# KiCad board mist.kicad_pcb
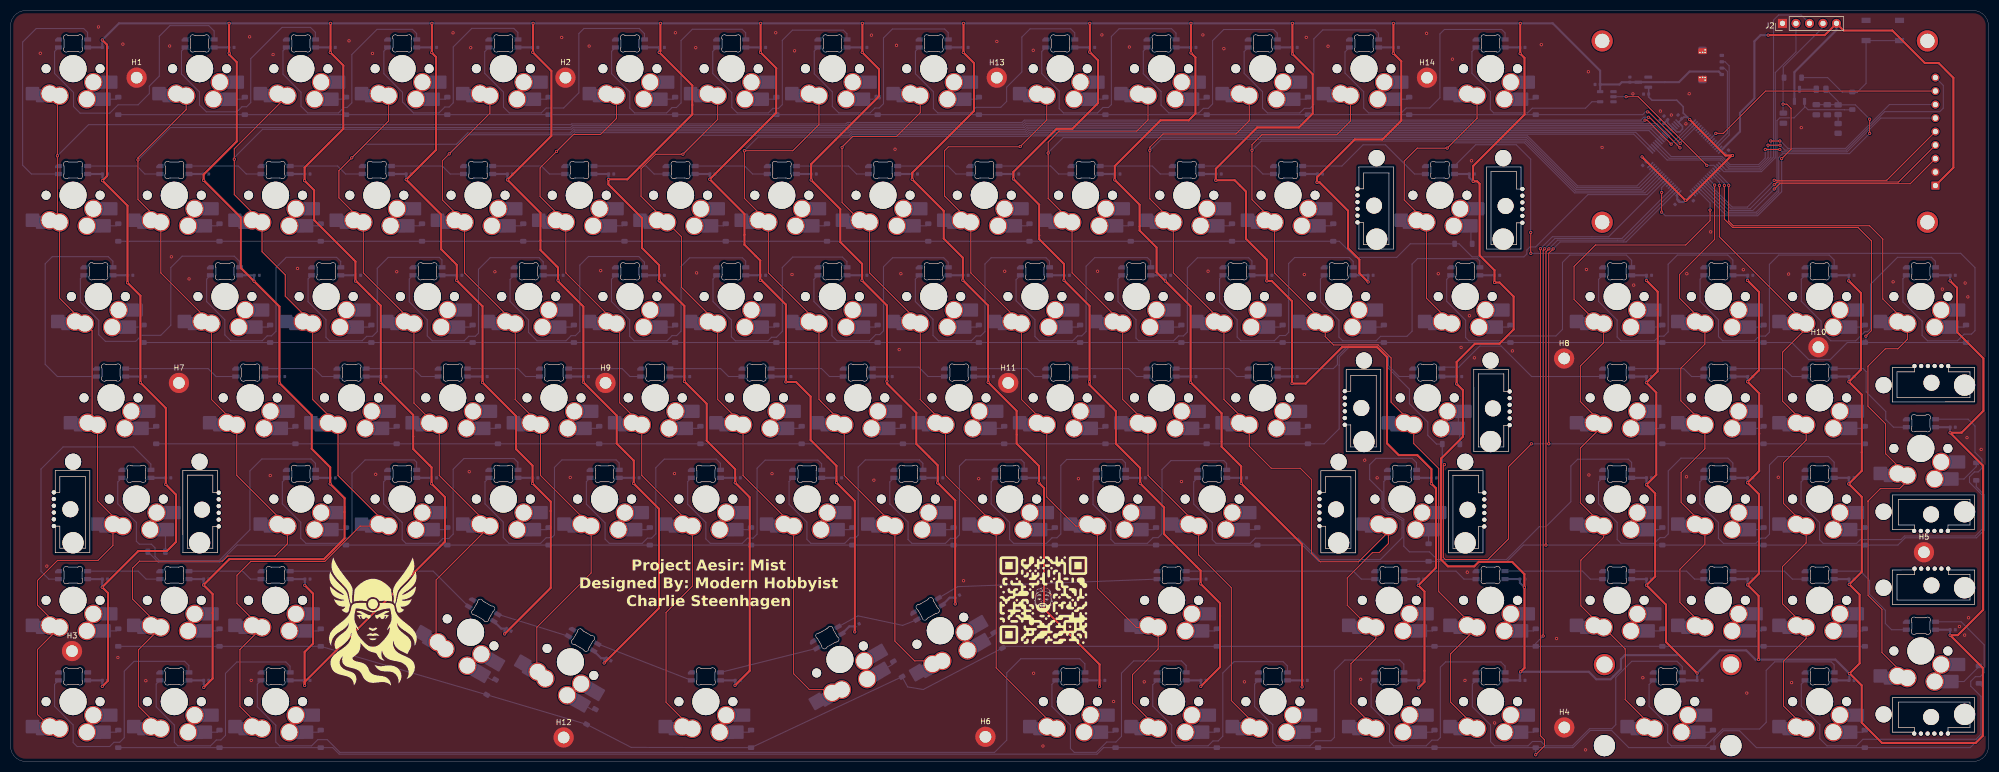
[diagram p0: board, top side]
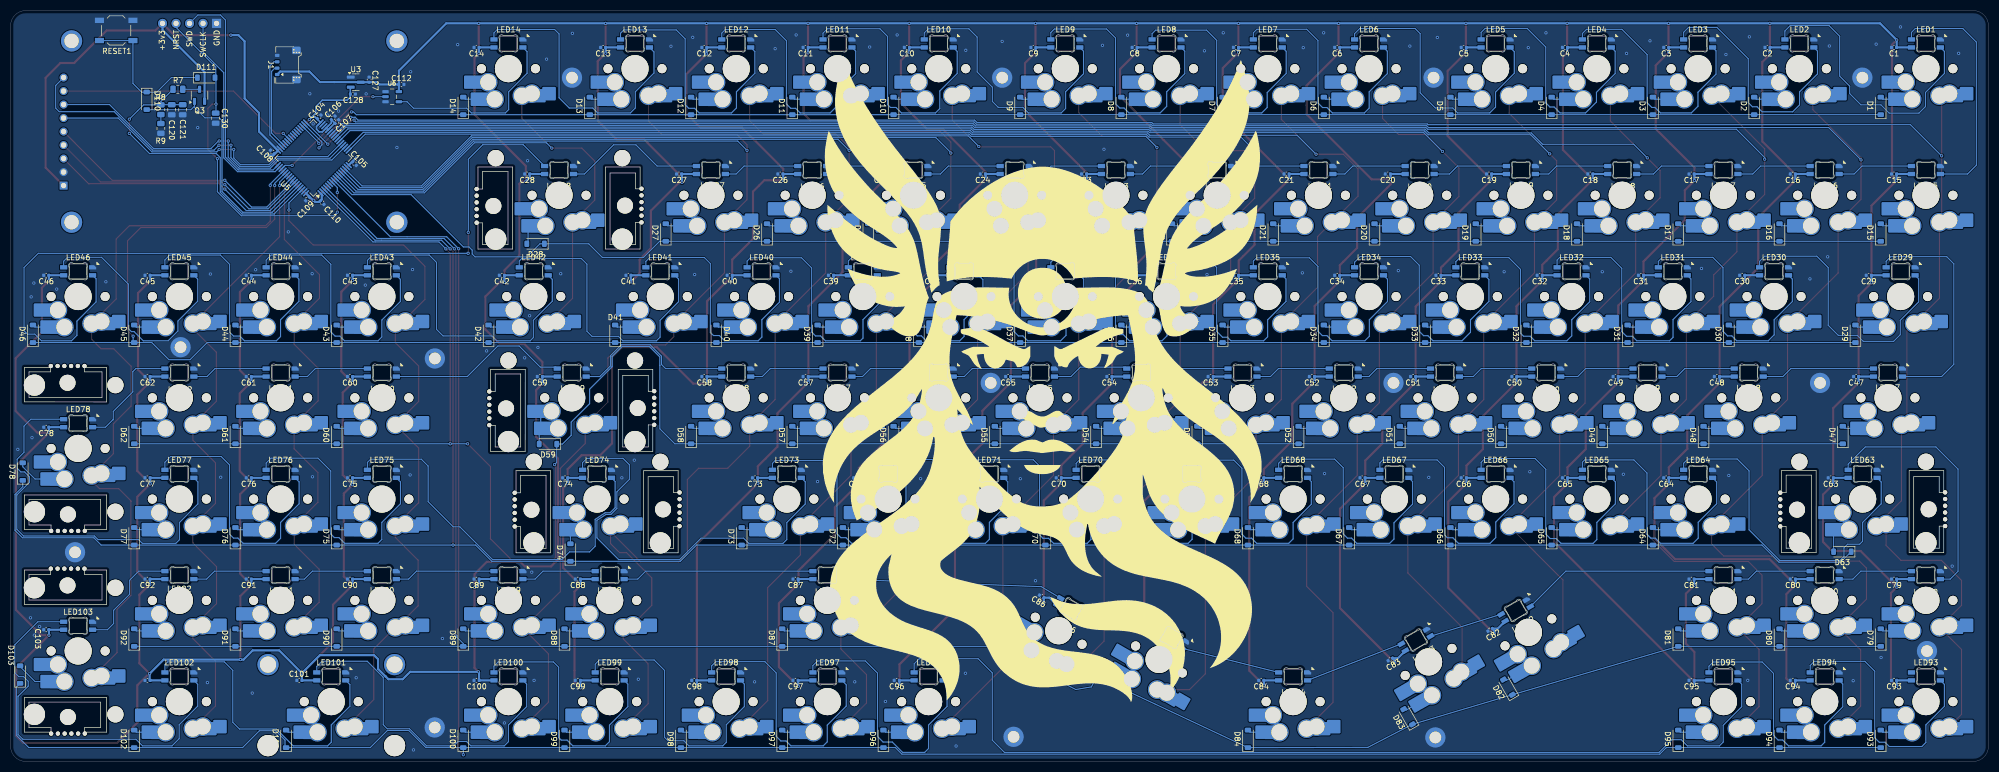
[diagram p1: board, bottom side, seen from below]

Outline 372.11 x 141.22 mm; copper layers: Top, Bottom. Coordinates in mm from the lower left corner of the outline.
Outline path: 369.43,141.21 369.58,141.2 369.72,141.18 369.85,141.16 369.99,141.13 370.12,141.09 370.26,141.04 370.38,140.99 370.51,140.94 370.63,140.87 370.75,140.81 370.86,140.73 370.97,140.65 371.08,140.57 371.18,140.48 371.28,140.39 371.37,140.29 371.46,140.19 371.55,140.08 371.63,139.97 371.7,139.86 371.77,139.74 371.83,139.62 371.89,139.49 371.94,139.36 371.98,139.23 372.02,139.1 372.05,138.96 372.08,138.82 372.1,138.68 372.11,138.54 372.11,138.39 372.11,2.82 372.11,2.68 372.1,2.53 372.08,2.39 372.05,2.26 372.02,2.12 371.98,1.99 371.94,1.85 371.89,1.73 371.83,1.6 371.77,1.48 371.7,1.36 371.63,1.25 371.55,1.14 371.46,1.03 371.37,0.93 371.28,0.83 371.18,0.74 371.08,0.65 370.97,0.56 370.86,0.48 370.75,0.41 370.63,0.34 370.51,0.28 370.38,0.22 370.26,0.17 370.12,0.13 369.99,0.09 369.85,0.06 369.72,0.03 369.58,0.01 369.43,0 369.29,0 2.82,0 2.68,0 2.53,0.01 2.39,0.03 2.26,0.06 2.12,0.09 1.99,0.13 1.85,0.17 1.73,0.22 1.6,0.28 1.48,0.34 1.36,0.41 1.25,0.48 1.14,0.56 1.03,0.65 0.93,0.74 0.83,0.83 0.74,0.93 0.65,1.03 0.56,1.14 0.48,1.25 0.41,1.36 0.34,1.48 0.28,1.6 0.22,1.73 0.17,1.85 0.13,1.99 0.09,2.12 0.06,2.26 0.03,2.39 0.01,2.53 0,2.68 0,2.82 0,138.39 0,138.54 0.01,138.68 0.03,138.82 0.06,138.96 0.09,139.1 0.13,139.23 0.17,139.36 0.22,139.49 0.28,139.62 0.34,139.74 0.41,139.86 0.48,139.97 0.56,140.08 0.65,140.19 0.74,140.29 0.83,140.39 0.93,140.48 1.03,140.57 1.14,140.65 1.25,140.73 1.36,140.81 1.48,140.87 1.6,140.94 1.73,140.99 1.85,141.04 1.99,141.09 2.12,141.13 2.26,141.16 2.39,141.18 2.53,141.2 2.68,141.21 2.82,141.22 369.29,141.22 closed
Stack: Top 0.035mm / dielectric 1.51mm FR4 er 4.5 / Bottom 0.035mm

## Placement (name value [footprint] x y rotation side)
C1  0.1uF  [C_0402_1005Metric]  17.75 134.3 0 bottom
C2  0.1uF  [C_0402_1005Metric]  41.56 134.3 0 bottom
C3  0.1uF  [C_0402_1005Metric]  60.61 134.3 0 bottom
C4  0.1uF  [C_0402_1005Metric]  79.66 134.3 0 bottom
C5  0.1uF  [C_0402_1005Metric]  98.71 134.3 0 bottom
C6  0.1uF  [C_0402_1005Metric]  122.52 134.3 0 bottom
C7  0.1uF  [C_0402_1005Metric]  141.57 134.3 0 bottom
C8  0.1uF  [C_0402_1005Metric]  160.62 134.3 0 bottom
C9  0.1uF  [C_0402_1005Metric]  179.67 134.3 0 bottom
C10  0.1uF  [C_0402_1005Metric]  203.49 134.3 0 bottom
C11  0.1uF  [C_0402_1005Metric]  222.54 134.3 0 bottom
C12  0.1uF  [C_0402_1005Metric]  241.59 134.3 0 bottom
C13  0.1uF  [C_0402_1005Metric]  260.64 134.3 0 bottom
C14  0.1uF  [C_0402_1005Metric]  284.45 134.3 0 bottom
C15  0.1uF  [C_0402_1005Metric]  17.75 110.48 0 bottom
C16  0.1uF  [C_0402_1005Metric]  36.8 110.48 0 bottom
C17  0.1uF  [C_0402_1005Metric]  55.85 110.48 0 bottom
C18  0.1uF  [C_0402_1005Metric]  74.9 110.48 0 bottom
C19  0.1uF  [C_0402_1005Metric]  93.95 110.48 0 bottom
C20  0.1uF  [C_0402_1005Metric]  113 110.48 0 bottom
C21  0.1uF  [C_0402_1005Metric]  132.05 110.48 0 bottom
C22  0.1uF  [C_0402_1005Metric]  151.1 110.48 0 bottom
C23  0.1uF  [C_0402_1005Metric]  170.15 110.48 0 bottom
C24  0.1uF  [C_0402_1005Metric]  189.2 110.48 0 bottom
C25  0.1uF  [C_0402_1005Metric]  208.25 110.48 0 bottom
C26  0.1uF  [C_0402_1005Metric]  227.3 110.48 0 bottom
C27  0.1uF  [C_0402_1005Metric]  246.35 110.48 0 bottom
C28  0.1uF  [C_0402_1005Metric]  274.92 110.48 0 bottom
C29  0.1uF  [C_0402_1005Metric]  22.51 91.43 0 bottom
C30  0.1uF  [C_0402_1005Metric]  46.32 91.43 0 bottom
C31  0.1uF  [C_0402_1005Metric]  65.37 91.43 0 bottom
C32  0.1uF  [C_0402_1005Metric]  84.42 91.43 0 bottom
C33  0.1uF  [C_0402_1005Metric]  103.47 91.43 0 bottom
C34  0.1uF  [C_0402_1005Metric]  122.52 91.43 0 bottom
C35  0.1uF  [C_0402_1005Metric]  141.57 91.43 0 bottom
C36  0.1uF  [C_0402_1005Metric]  160.62 91.43 0 bottom
C37  0.1uF  [C_0402_1005Metric]  179.67 91.43 0 bottom
C38  0.1uF  [C_0402_1005Metric]  198.72 91.43 0 bottom
C39  0.1uF  [C_0402_1005Metric]  217.77 91.43 0 bottom
C40  0.1uF  [C_0402_1005Metric]  236.82 91.43 0 bottom
C41  0.1uF  [C_0402_1005Metric]  255.87 91.43 0 bottom
C42  0.1uF  [C_0402_1005Metric]  279.69 91.43 0 bottom
C43  0.1uF  [C_0402_1005Metric]  308.26 91.43 0 bottom
C44  0.1uF  [C_0402_1005Metric]  327.31 91.43 0 bottom
C45  0.1uF  [C_0402_1005Metric]  346.36 91.43 0 bottom
C46  0.1uF  [C_0402_1005Metric]  365.41 91.43 0 bottom
C47  0.1uF  [C_0402_1005Metric]  24.89 72.38 0 bottom
C48  0.1uF  [C_0402_1005Metric]  51.09 72.38 0 bottom
C49  0.1uF  [C_0402_1005Metric]  70.14 72.38 0 bottom
C50  0.1uF  [C_0402_1005Metric]  89.19 72.38 0 bottom
C51  0.1uF  [C_0402_1005Metric]  108.24 72.38 0 bottom
C52  0.1uF  [C_0402_1005Metric]  127.29 72.38 0 bottom
C53  0.1uF  [C_0402_1005Metric]  146.34 72.38 0 bottom
C54  0.1uF  [C_0402_1005Metric]  165.39 72.38 0 bottom
C55  0.1uF  [C_0402_1005Metric]  184.44 72.38 0 bottom
C56  0.1uF  [C_0402_1005Metric]  203.49 72.38 0 bottom
C57  0.1uF  [C_0402_1005Metric]  222.54 72.38 0 bottom
C58  0.1uF  [C_0402_1005Metric]  241.59 72.38 0 bottom
C59  0.1uF  [C_0402_1005Metric]  272.54 72.38 0 bottom
C60  0.1uF  [C_0402_1005Metric]  308.26 72.38 0 bottom
C61  0.1uF  [C_0402_1005Metric]  327.31 72.38 0 bottom
C62  0.1uF  [C_0402_1005Metric]  346.36 72.38 0 bottom
C63  0.1uF  [C_0402_1005Metric]  29.65 53.33 0 bottom
C64  0.1uF  [C_0402_1005Metric]  60.61 53.33 0 bottom
C65  0.1uF  [C_0402_1005Metric]  79.66 53.33 0 bottom
C66  0.1uF  [C_0402_1005Metric]  98.71 53.33 0 bottom
C67  0.1uF  [C_0402_1005Metric]  117.76 53.33 0 bottom
C68  0.1uF  [C_0402_1005Metric]  136.81 53.33 0 bottom
C69  0.1uF  [C_0402_1005Metric]  155.86 53.33 0 bottom
C70  0.1uF  [C_0402_1005Metric]  174.91 53.33 0 bottom
C71  0.1uF  [C_0402_1005Metric]  193.96 53.33 0 bottom
C72  0.1uF  [C_0402_1005Metric]  213.01 53.33 0 bottom
C73  0.1uF  [C_0402_1005Metric]  232.06 53.33 0 bottom
C74  0.1uF  [C_0402_1005Metric]  267.78 53.33 0 bottom
C75  0.1uF  [C_0402_1005Metric]  308.26 53.33 0 bottom
C76  0.1uF  [C_0402_1005Metric]  327.31 53.33 0 bottom
C77  0.1uF  [C_0402_1005Metric]  346.36 53.33 0 bottom
C78  0.1uF  [C_0402_1005Metric]  365.41 62.86 0 bottom
C79  0.1uF  [C_0402_1005Metric]  17.75 34.28 0 bottom
C80  0.1uF  [C_0402_1005Metric]  36.8 34.28 0 bottom
C81  0.1uF  [C_0402_1005Metric]  55.85 34.28 0 bottom
C82  0.1uF  [C_0402_1005Metric]  93.74 24.73 330 bottom
C83  0.1uF  [C_0402_1005Metric]  112.52 19.17 330 bottom
C84  0.1uF  [C_0402_1005Metric]  136.81 15.23 0 bottom
C85  0.1uF  [C_0402_1005Metric]  159.24 25.63 30 bottom
C86  0.1uF  [C_0402_1005Metric]  178.12 31.03 30 bottom
C87  0.1uF  [C_0402_1005Metric]  224.44 34.28 0 bottom
C88  0.1uF  [C_0402_1005Metric]  265.4 34.28 0 bottom
C89  0.1uF  [C_0402_1005Metric]  284.45 34.28 0 bottom
C90  0.1uF  [C_0402_1005Metric]  308.26 34.28 0 bottom
C91  0.1uF  [C_0402_1005Metric]  327.31 34.28 0 bottom
C92  0.1uF  [C_0402_1005Metric]  346.36 34.28 0 bottom
C93  0.1uF  [C_0402_1005Metric]  17.75 15.23 0 bottom
C94  0.1uF  [C_0402_1005Metric]  36.8 15.23 0 bottom
C95  0.1uF  [C_0402_1005Metric]  55.85 15.23 0 bottom
C96  0.1uF  [C_0402_1005Metric]  205.39 15.23 0 bottom
C97  0.1uF  [C_0402_1005Metric]  224.44 15.23 0 bottom
C98  0.1uF  [C_0402_1005Metric]  243.49 15.23 0 bottom
C99  0.1uF  [C_0402_1005Metric]  265.4 15.23 0 bottom
C100  0.1uF  [C_0402_1005Metric]  284.45 15.23 0 bottom
C101  0.1uF  [C_0402_1005Metric]  317.79 15.23 0 bottom
C102  0.1uF  [C_0402_1005Metric]  346.36 15.23 0 bottom
C103  0.1uF  [C_0402_1005Metric]  365.41 24.76 0 bottom
C104  100nF  [C_0402_1005Metric]  314.06 121.25 135 bottom
C105  100nF  [C_0402_1005Metric]  307.41 112.44 225 bottom
C106  100nF  [C_0402_1005Metric]  311.42 121.05 135 bottom
C107  100nF  [C_0402_1005Metric]  310.72 120.35 135 bottom
C108  100nF  [C_0402_1005Metric]  322.88 114.64 45 bottom
C109  100nF  [C_0402_1005Metric]  316.26 105.8 315 bottom
C110  100nF  [C_0402_1005Metric]  313.5 105.1 225 bottom
C112  0.1uF  [C_0402_1005Metric]  298.59 127.33 180 bottom
C120  100n  [C_0805_2012Metric]  341.8 122.58 90 bottom
C121  100n  [C_0805_2012Metric]  339.74 122.58 90 bottom
C127  1uF  [C_0402_1005Metric]  304.66 128.24 90 bottom
C128  1uF  [C_0402_1005Metric]  307.72 125.52 180 bottom
C130  100n  [C_0805_2012Metric]  333.54 120.99 90 bottom
CH1  KS33_SW_HS  [KS-33_MX-Hotswap-1U]  11.75 130.3 180 bottom
CH2  KS33_SW_HS  [KS-33_MX-Hotswap-1U]  35.56 130.3 180 bottom
CH3  KS33_SW_HS  [KS-33_MX-Hotswap-1U]  54.61 130.3 180 bottom
CH4  KS33_SW_HS  [KS-33_MX-Hotswap-1U]  73.66 130.3 180 bottom
CH5  KS33_SW_HS  [KS-33_MX-Hotswap-1U]  92.71 130.3 180 bottom
CH6  KS33_SW_HS  [KS-33_MX-Hotswap-1U]  116.52 130.3 180 bottom
CH7  KS33_SW_HS  [KS-33_MX-Hotswap-1U]  135.57 130.3 180 bottom
CH8  KS33_SW_HS  [KS-33_MX-Hotswap-1U]  154.62 130.3 180 bottom
CH9  KS33_SW_HS  [KS-33_MX-Hotswap-1U]  173.67 130.3 180 bottom
CH10  KS33_SW_HS  [KS-33_MX-Hotswap-1U]  197.49 130.3 180 bottom
CH11  KS33_SW_HS  [KS-33_MX-Hotswap-1U]  216.54 130.3 180 bottom
CH12  KS33_SW_HS  [KS-33_MX-Hotswap-1U]  235.59 130.3 180 bottom
CH13  KS33_SW_HS  [KS-33_MX-Hotswap-1U]  254.64 130.3 180 bottom
CH14  KS33_SW_HS  [KS-33_MX-Hotswap-1U]  278.45 130.3 180 bottom
CH15  KS33_SW_HS  [KS-33_MX-Hotswap-1U]  11.75 106.48 180 bottom
CH16  KS33_SW_HS  [KS-33_MX-Hotswap-1U]  30.8 106.48 180 bottom
CH17  KS33_SW_HS  [KS-33_MX-Hotswap-1U]  49.85 106.48 180 bottom
CH18  KS33_SW_HS  [KS-33_MX-Hotswap-1U]  68.9 106.48 180 bottom
CH19  KS33_SW_HS  [KS-33_MX-Hotswap-1U]  87.95 106.48 180 bottom
CH20  KS33_SW_HS  [KS-33_MX-Hotswap-1U]  107 106.48 180 bottom
CH21  KS33_SW_HS  [KS-33_MX-Hotswap-1U]  126.05 106.48 180 bottom
CH22  KS33_SW_HS  [KS-33_MX-Hotswap-1U]  145.1 106.48 180 bottom
CH23  KS33_SW_HS  [KS-33_MX-Hotswap-1U]  164.15 106.48 180 bottom
CH24  KS33_SW_HS  [KS-33_MX-Hotswap-1U]  183.2 106.48 180 bottom
CH25  KS33_SW_HS  [KS-33_MX-Hotswap-1U]  202.25 106.48 180 bottom
CH26  KS33_SW_HS  [KS-33_MX-Hotswap-1U]  221.3 106.48 180 bottom
CH27  KS33_SW_HS  [KS-33_MX-Hotswap-1U]  240.35 106.48 180 bottom
CH28  KS33_SW_HS  [KS-33_MX-Hotswap-1U#3]  268.92 106.48 180 bottom
CH29  KS33_SW_HS  [KS-33_MX-Hotswap-1U]  16.51 87.43 180 bottom
CH30  KS33_SW_HS  [KS-33_MX-Hotswap-1U]  40.32 87.43 180 bottom
CH31  KS33_SW_HS  [KS-33_MX-Hotswap-1U]  59.37 87.43 180 bottom
CH32  KS33_SW_HS  [KS-33_MX-Hotswap-1U]  78.42 87.43 180 bottom
CH33  KS33_SW_HS  [KS-33_MX-Hotswap-1U]  97.47 87.43 180 bottom
CH34  KS33_SW_HS  [KS-33_MX-Hotswap-1U]  116.52 87.43 180 bottom
CH35  KS33_SW_HS  [KS-33_MX-Hotswap-1U]  135.57 87.43 180 bottom
CH36  KS33_SW_HS  [KS-33_MX-Hotswap-1U]  154.62 87.43 180 bottom
CH37  KS33_SW_HS  [KS-33_MX-Hotswap-1U]  173.67 87.43 180 bottom
CH38  KS33_SW_HS  [KS-33_MX-Hotswap-1U]  192.72 87.43 180 bottom
CH39  KS33_SW_HS  [KS-33_MX-Hotswap-1U]  211.77 87.43 180 bottom
CH40  KS33_SW_HS  [KS-33_MX-Hotswap-1U]  230.82 87.43 180 bottom
CH41  KS33_SW_HS  [KS-33_MX-Hotswap-1U]  249.87 87.43 180 bottom
CH42  KS33_SW_HS  [KS-33_MX-Hotswap-1U]  273.69 87.43 180 bottom
CH43  KS33_SW_HS  [KS-33_MX-Hotswap-1U]  302.26 87.43 180 bottom
CH44  KS33_SW_HS  [KS-33_MX-Hotswap-1U]  321.31 87.43 180 bottom
CH45  KS33_SW_HS  [KS-33_MX-Hotswap-1U]  340.36 87.43 180 bottom
CH46  KS33_SW_HS  [KS-33_MX-Hotswap-1U]  359.41 87.43 180 bottom
CH47  KS33_SW_HS  [KS-33_MX-Hotswap-1U]  18.89 68.38 180 bottom
CH48  KS33_SW_HS  [KS-33_MX-Hotswap-1U]  45.09 68.38 180 bottom
CH49  KS33_SW_HS  [KS-33_MX-Hotswap-1U]  64.14 68.38 180 bottom
CH50  KS33_SW_HS  [KS-33_MX-Hotswap-1U]  83.19 68.38 180 bottom
CH51  KS33_SW_HS  [KS-33_MX-Hotswap-1U]  102.24 68.38 180 bottom
CH52  KS33_SW_HS  [KS-33_MX-Hotswap-1U]  121.29 68.38 180 bottom
CH53  KS33_SW_HS  [KS-33_MX-Hotswap-1U]  140.34 68.38 180 bottom
CH54  KS33_SW_HS  [KS-33_MX-Hotswap-1U]  159.39 68.38 180 bottom
CH55  KS33_SW_HS  [KS-33_MX-Hotswap-1U]  178.44 68.38 180 bottom
CH56  KS33_SW_HS  [KS-33_MX-Hotswap-1U]  197.49 68.38 180 bottom
CH57  KS33_SW_HS  [KS-33_MX-Hotswap-1U]  216.54 68.38 180 bottom
CH58  KS33_SW_HS  [KS-33_MX-Hotswap-1U]  235.59 68.38 180 bottom
CH59  KS33_SW_HS  [KS-33_MX-Hotswap-1U#3]  266.54 68.38 180 bottom
CH60  KS33_SW_HS  [KS-33_MX-Hotswap-1U]  302.26 68.38 180 bottom
CH61  KS33_SW_HS  [KS-33_MX-Hotswap-1U]  321.31 68.38 180 bottom
CH62  KS33_SW_HS  [KS-33_MX-Hotswap-1U]  340.36 68.38 180 bottom
CH63  KS33_SW_HS  [KS-33_MX-Hotswap-1U#2]  23.65 49.33 180 bottom
CH64  KS33_SW_HS  [KS-33_MX-Hotswap-1U]  54.61 49.33 180 bottom
CH65  KS33_SW_HS  [KS-33_MX-Hotswap-1U]  73.66 49.33 180 bottom
CH66  KS33_SW_HS  [KS-33_MX-Hotswap-1U]  92.71 49.33 180 bottom
CH67  KS33_SW_HS  [KS-33_MX-Hotswap-1U]  111.76 49.33 180 bottom
CH68  KS33_SW_HS  [KS-33_MX-Hotswap-1U]  130.81 49.33 180 bottom
CH69  KS33_SW_HS  [KS-33_MX-Hotswap-1U]  149.86 49.33 180 bottom
CH70  KS33_SW_HS  [KS-33_MX-Hotswap-1U]  168.91 49.33 180 bottom
CH71  KS33_SW_HS  [KS-33_MX-Hotswap-1U]  187.96 49.33 180 bottom
CH72  KS33_SW_HS  [KS-33_MX-Hotswap-1U]  207.01 49.33 180 bottom
CH73  KS33_SW_HS  [KS-33_MX-Hotswap-1U]  226.06 49.33 180 bottom
CH74  KS33_SW_HS  [KS-33_MX-Hotswap-1U#4]  261.78 49.33 180 bottom
CH75  KS33_SW_HS  [KS-33_MX-Hotswap-1U]  302.26 49.33 180 bottom
CH76  KS33_SW_HS  [KS-33_MX-Hotswap-1U]  321.31 49.33 180 bottom
CH77  KS33_SW_HS  [KS-33_MX-Hotswap-1U]  340.36 49.33 180 bottom
CH78  KS33_SW_HS  [KS-33_MX-Hotswap-1U]  359.41 58.86 180 bottom
CH79  KS33_SW_HS  [KS-33_MX-Hotswap-1U]  11.75 30.28 180 bottom
CH80  KS33_SW_HS  [KS-33_MX-Hotswap-1U]  30.8 30.28 180 bottom
CH81  KS33_SW_HS  [KS-33_MX-Hotswap-1U]  49.85 30.28 180 bottom
CH82  KS33_SW_HS  [KS-33_MX-Hotswap-1U]  86.54 24.27 150 bottom
CH83  KS33_SW_HS  [KS-33_MX-Hotswap-1U]  105.33 18.7 150 bottom
CH84  KS33_SW_HS  [KS-33_MX-Hotswap-1U]  130.81 11.23 180 bottom
CH85  KS33_SW_HS  [KS-33_MX-Hotswap-1U]  156.04 19.17 210 bottom
CH86  KS33_SW_HS  [KS-33_MX-Hotswap-1U]  174.92 24.57 210 bottom
CH87  KS33_SW_HS  [KS-33_MX-Hotswap-1U]  218.44 30.28 180 bottom
CH88  KS33_SW_HS  [KS-33_MX-Hotswap-1U]  259.4 30.28 180 bottom
CH89  KS33_SW_HS  [KS-33_MX-Hotswap-1U]  278.45 30.28 180 bottom
CH90  KS33_SW_HS  [KS-33_MX-Hotswap-1U]  302.26 30.28 180 bottom
CH91  KS33_SW_HS  [KS-33_MX-Hotswap-1U]  321.31 30.28 180 bottom
CH92  KS33_SW_HS  [KS-33_MX-Hotswap-1U]  340.36 30.28 180 bottom
CH93  KS33_SW_HS  [KS-33_MX-Hotswap-1U]  11.75 11.23 180 bottom
CH94  KS33_SW_HS  [KS-33_MX-Hotswap-1U]  30.8 11.23 180 bottom
CH95  KS33_SW_HS  [KS-33_MX-Hotswap-1U]  49.85 11.23 180 bottom
CH96  KS33_SW_HS  [KS-33_MX-Hotswap-1U]  199.39 11.23 180 bottom
CH97  KS33_SW_HS  [KS-33_MX-Hotswap-1U]  218.44 11.23 180 bottom
CH98  KS33_SW_HS  [KS-33_MX-Hotswap-1U]  237.49 11.23 180 bottom
CH99  KS33_SW_HS  [KS-33_MX-Hotswap-1U]  259.4 11.23 180 bottom
CH100  KS33_SW_HS  [KS-33_MX-Hotswap-1U]  278.45 11.23 180 bottom
CH101  KS33_SW_HS  [KS-33_MX-Hotswap-1U]  311.79 11.23 180 bottom
CH102  KS33_SW_HS  [KS-33_MX-Hotswap-1U]  340.36 11.23 180 bottom
CH103  KS33_SW_HS  [KS-33_MX-Hotswap-1U]  359.41 20.76 180 bottom
D1  D  [D_SOD-123]  20.25 123.3 90 bottom
D2  D  [D_SOD-123]  44.06 123.3 90 bottom
D3  D  [D_SOD-123]  63.11 123.3 90 bottom
D4  D  [D_SOD-123]  82.16 123.3 90 bottom
D5  D  [D_SOD-123]  101.21 123.3 90 bottom
D6  D  [D_SOD-123]  125.02 123.3 90 bottom
D7  D  [D_SOD-123]  144.07 123.3 90 bottom
D8  D  [D_SOD-123]  163.12 123.3 90 bottom
D9  D  [D_SOD-123]  182.17 123.3 90 bottom
D10  D  [D_SOD-123]  205.99 123.3 90 bottom
D11  D  [D_SOD-123]  225.04 123.3 90 bottom
D12  D  [D_SOD-123]  244.09 123.3 90 bottom
D13  D  [D_SOD-123]  263.14 123.3 90 bottom
D14  D  [D_SOD-123]  286.95 123.3 90 bottom
D15  D  [D_SOD-123]  20.25 99.48 90 bottom
D16  D  [D_SOD-123]  39.3 99.48 90 bottom
D17  D  [D_SOD-123]  58.35 99.48 90 bottom
D18  D  [D_SOD-123]  77.4 99.48 90 bottom
D19  D  [D_SOD-123]  96.45 99.48 90 bottom
D20  D  [D_SOD-123]  115.5 99.48 90 bottom
D21  D  [D_SOD-123]  134.55 99.48 90 bottom
D22  D  [D_SOD-123]  153.6 99.48 90 bottom
D23  D  [D_SOD-123]  172.65 99.48 90 bottom
D24  D  [D_SOD-123]  191.7 99.48 90 bottom
D25  D  [D_SOD-123]  210.75 99.48 90 bottom
D26  D  [D_SOD-123]  229.8 99.48 90 bottom
D27  D  [D_SOD-123]  248.85 99.48 90 bottom
D28  D  [D_SOD-123]  273.34 97.36 0 bottom
D29  D  [D_SOD-123]  25.01 80.43 90 bottom
D30  D  [D_SOD-123]  48.82 80.43 90 bottom
D31  D  [D_SOD-123]  67.87 80.43 90 bottom
D32  D  [D_SOD-123]  86.92 80.43 90 bottom
D33  D  [D_SOD-123]  105.97 80.43 90 bottom
D34  D  [D_SOD-123]  125.02 80.43 90 bottom
D35  D  [D_SOD-123]  144.07 80.43 90 bottom
D36  D  [D_SOD-123]  163.12 80.43 90 bottom
D37  D  [D_SOD-123]  182.17 80.43 90 bottom
D38  D  [D_SOD-123]  201.22 80.43 90 bottom
D39  D  [D_SOD-123]  220.27 80.43 90 bottom
D40  D  [D_SOD-123]  239.32 80.43 90 bottom
D41  D  [D_SOD-123]  258.37 80.43 90 bottom
D42  D  [D_SOD-123]  282.19 80.43 90 bottom
D43  D  [D_SOD-123]  310.76 80.43 90 bottom
D44  D  [D_SOD-123]  329.81 80.43 90 bottom
D45  D  [D_SOD-123]  348.86 80.43 90 bottom
D46  D  [D_SOD-123]  367.91 80.43 90 bottom
D47  D  [D_SOD-123]  27.39 61.38 90 bottom
D48  D  [D_SOD-123]  53.59 61.38 90 bottom
D49  D  [D_SOD-123]  72.64 61.38 90 bottom
D50  D  [D_SOD-123]  91.69 61.38 90 bottom
D51  D  [D_SOD-123]  110.74 61.38 90 bottom
D52  D  [D_SOD-123]  129.79 61.38 90 bottom
D53  D  [D_SOD-123]  148.84 61.38 90 bottom
D54  D  [D_SOD-123]  167.89 61.38 90 bottom
D55  D  [D_SOD-123]  186.94 61.38 90 bottom
D56  D  [D_SOD-123]  205.99 61.38 90 bottom
D57  D  [D_SOD-123]  225.04 61.38 90 bottom
D58  D  [D_SOD-123]  244.09 61.38 90 bottom
D59  D  [D_SOD-123]  271.01 59.69 0 bottom
D60  D  [D_SOD-123]  310.76 61.38 90 bottom
D61  D  [D_SOD-123]  329.81 61.38 90 bottom
D62  D  [D_SOD-123]  348.86 61.38 90 bottom
D63  D  [D_SOD-123]  27.47 39.44 0 bottom
D64  D  [D_SOD-123]  63.11 42.33 90 bottom
D65  D  [D_SOD-123]  82.16 42.33 90 bottom
D66  D  [D_SOD-123]  101.21 42.33 90 bottom
D67  D  [D_SOD-123]  120.26 42.33 90 bottom
D68  D  [D_SOD-123]  139.31 42.33 90 bottom
D69  D  [D_SOD-123]  158.36 42.33 90 bottom
D70  D  [D_SOD-123]  177.41 42.33 90 bottom
D71  D  [D_SOD-123]  196.46 42.33 90 bottom
D72  D  [D_SOD-123]  215.51 42.33 90 bottom
D73  D  [D_SOD-123]  234.56 42.33 90 bottom
D74  D  [D_SOD-123]  266.79 39.28 90 bottom
D75  D  [D_SOD-123]  310.76 42.33 90 bottom
D76  D  [D_SOD-123]  329.81 42.33 90 bottom
D77  D  [D_SOD-123]  348.86 42.33 90 bottom
D78  D  [D_SOD-123]  369.83 54.51 90 bottom
D79  D  [D_SOD-123]  20.25 23.28 90 bottom
D80  D  [D_SOD-123]  39.3 23.28 90 bottom
D81  D  [D_SOD-123]  58.35 23.28 90 bottom
D82  D  [D_SOD-123]  90.4 13.96 60 bottom
D83  D  [D_SOD-123]  109.19 8.39 60 bottom
D84  D  [D_SOD-123]  139.31 4.23 90 bottom
D85  D  [D_SOD-123]  166.91 17.36 120 bottom
D86  D  [D_SOD-123]  185.78 22.76 120 bottom
D87  D  [D_SOD-123]  226.94 23.28 90 bottom
D88  D  [D_SOD-123]  267.9 23.28 90 bottom
D89  D  [D_SOD-123]  286.95 23.28 90 bottom
D90  D  [D_SOD-123]  310.76 23.28 90 bottom
D91  D  [D_SOD-123]  329.81 23.28 90 bottom
D92  D  [D_SOD-123]  348.86 23.28 90 bottom
D93  D  [D_SOD-123]  20.25 4.23 90 bottom
D94  D  [D_SOD-123]  39.3 4.23 90 bottom
D95  D  [D_SOD-123]  58.35 4.23 90 bottom
D96  D  [D_SOD-123]  207.89 4.23 90 bottom
D97  D  [D_SOD-123]  226.94 4.23 90 bottom
D98  D  [D_SOD-123]  245.99 4.23 90 bottom
D99  D  [D_SOD-123]  267.9 4.23 90 bottom
D100  D  [D_SOD-123]  286.95 4.23 90 bottom
D101  D  [D_SOD-123]  320.29 4.23 90 bottom
D102  D  [D_SOD-123]  348.86 4.23 90 bottom
D103  D  [D_SOD-123]  370.33 16.33 90 bottom
D110  1N4148  [D_SOD-123]  346.51 124.26 270 bottom
D111  1N4148  [D_SOD-123]  335.32 128.61 180 bottom
H1  MountingHole_Pad  [MountingHole_2.2mm_M2_DIN965_Pad]  23.71 128.61 0 top
H2  MountingHole_Pad  [MountingHole_2.2mm_M2_DIN965_Pad]  104.39 128.61 0 top
H3  MountingHole_Pad  [MountingHole_2.2mm_M2_DIN965_Pad]  11.55 20.75 0 top
H4  MountingHole_Pad  [MountingHole_2.2mm_M2_DIN965_Pad]  292.32 6.38 0 top
H5  MountingHole_Pad  [MountingHole_2.2mm_M2_DIN965_Pad]  359.99 39.34 0 top
H6  MountingHole_Pad  [MountingHole_2.2mm_M2_DIN965_Pad]  183.41 4.62 0 top
H7  MountingHole_Pad  [MountingHole_2.2mm_M2_DIN965_Pad]  31.67 71.19 0 top
H8  MountingHole_Pad  [MountingHole_2.2mm_M2_DIN965_Pad]  292.29 75.79 0 top
H9  MountingHole_Pad  [MountingHole_2.2mm_M2_DIN965_Pad]  111.93 71.19 0 top
H10  MountingHole_Pad  [MountingHole_2.2mm_M2_DIN965_Pad]  340.14 77.91 0 top
H11  MountingHole_Pad  [MountingHole_2.2mm_M2_DIN965_Pad]  187.7 71.19 0 top
H12  MountingHole_Pad  [MountingHole_2.2mm_M2_DIN965_Pad]  104.05 4.5 0 top
H13  MountingHole_Pad  [MountingHole_2.2mm_M2_DIN965_Pad]  185.55 128.61 0 top
H14  MountingHole_Pad  [MountingHole_2.2mm_M2_DIN965_Pad]  266.49 128.61 0 top
J1  78171-0004  [Molex_Pico-EZmate_78171-0004_1x04-1MP_P1.20mm_Vertical]  320.08 131 90 bottom
J2  Conn_01x05  [PinHeader_1x05_P2.54mm_Vertical]  333.37 138.82 90 top
LED1  choc_SK6812MINI-E  [LED_choc_6028R]  11.75 135.05 180 bottom
LED2  choc_SK6812MINI-E  [LED_choc_6028R]  35.56 135.05 180 bottom
LED3  choc_SK6812MINI-E  [LED_choc_6028R]  54.61 135.05 180 bottom
LED4  choc_SK6812MINI-E  [LED_choc_6028R]  73.66 135.05 180 bottom
LED5  choc_SK6812MINI-E  [LED_choc_6028R]  92.71 135.05 180 bottom
LED6  choc_SK6812MINI-E  [LED_choc_6028R]  116.52 135.05 180 bottom
LED7  choc_SK6812MINI-E  [LED_choc_6028R]  135.57 135.05 180 bottom
LED8  choc_SK6812MINI-E  [LED_choc_6028R]  154.62 135.05 180 bottom
LED9  choc_SK6812MINI-E  [LED_choc_6028R]  173.67 135.05 180 bottom
LED10  choc_SK6812MINI-E  [LED_choc_6028R]  197.49 135.05 180 bottom
LED11  choc_SK6812MINI-E  [LED_choc_6028R]  216.54 135.05 180 bottom
LED12  choc_SK6812MINI-E  [LED_choc_6028R]  235.59 135.05 180 bottom
LED13  choc_SK6812MINI-E  [LED_choc_6028R]  254.64 135.05 180 bottom
LED14  choc_SK6812MINI-E  [LED_choc_6028R]  278.45 135.05 180 bottom
LED15  choc_SK6812MINI-E  [LED_choc_6028R]  11.75 111.23 180 bottom
LED16  choc_SK6812MINI-E  [LED_choc_6028R]  30.8 111.23 180 bottom
LED17  choc_SK6812MINI-E  [LED_choc_6028R]  49.85 111.23 180 bottom
LED18  choc_SK6812MINI-E  [LED_choc_6028R]  68.9 111.23 180 bottom
LED19  choc_SK6812MINI-E  [LED_choc_6028R]  87.95 111.23 180 bottom
LED20  choc_SK6812MINI-E  [LED_choc_6028R]  107 111.23 180 bottom
LED21  choc_SK6812MINI-E  [LED_choc_6028R]  126.05 111.23 180 bottom
LED22  choc_SK6812MINI-E  [LED_choc_6028R]  145.1 111.23 180 bottom
LED23  choc_SK6812MINI-E  [LED_choc_6028R]  164.15 111.23 180 bottom
LED24  choc_SK6812MINI-E  [LED_choc_6028R]  183.2 111.23 180 bottom
LED25  choc_SK6812MINI-E  [LED_choc_6028R]  202.25 111.23 180 bottom
LED26  choc_SK6812MINI-E  [LED_choc_6028R]  221.3 111.23 180 bottom
LED27  choc_SK6812MINI-E  [LED_choc_6028R]  240.35 111.23 180 bottom
LED28  choc_SK6812MINI-E  [LED_choc_6028R]  268.92 111.23 180 bottom
LED29  choc_SK6812MINI-E  [LED_choc_6028R]  16.51 92.18 180 bottom
LED30  choc_SK6812MINI-E  [LED_choc_6028R]  40.32 92.18 180 bottom
LED31  choc_SK6812MINI-E  [LED_choc_6028R]  59.37 92.18 180 bottom
LED32  choc_SK6812MINI-E  [LED_choc_6028R]  78.42 92.18 180 bottom
LED33  choc_SK6812MINI-E  [LED_choc_6028R]  97.47 92.18 180 bottom
LED34  choc_SK6812MINI-E  [LED_choc_6028R]  116.52 92.18 180 bottom
LED35  choc_SK6812MINI-E  [LED_choc_6028R]  135.57 92.18 180 bottom
LED36  choc_SK6812MINI-E  [LED_choc_6028R]  154.62 92.18 180 bottom
LED37  choc_SK6812MINI-E  [LED_choc_6028R]  173.67 92.18 180 bottom
LED38  choc_SK6812MINI-E  [LED_choc_6028R]  192.72 92.18 180 bottom
LED39  choc_SK6812MINI-E  [LED_choc_6028R]  211.77 92.18 180 bottom
LED40  choc_SK6812MINI-E  [LED_choc_6028R]  230.82 92.18 180 bottom
LED41  choc_SK6812MINI-E  [LED_choc_6028R]  249.87 92.18 180 bottom
LED42  choc_SK6812MINI-E  [LED_choc_6028R]  273.69 92.18 180 bottom
LED43  choc_SK6812MINI-E  [LED_choc_6028R]  302.26 92.18 180 bottom
LED44  choc_SK6812MINI-E  [LED_choc_6028R]  321.31 92.18 180 bottom
LED45  choc_SK6812MINI-E  [LED_choc_6028R]  340.36 92.18 180 bottom
LED46  choc_SK6812MINI-E  [LED_choc_6028R]  359.41 92.18 180 bottom
LED47  choc_SK6812MINI-E  [LED_choc_6028R]  18.89 73.13 180 bottom
LED48  choc_SK6812MINI-E  [LED_choc_6028R]  45.09 73.13 180 bottom
LED49  choc_SK6812MINI-E  [LED_choc_6028R]  64.14 73.13 180 bottom
LED50  choc_SK6812MINI-E  [LED_choc_6028R]  83.19 73.13 180 bottom
LED51  choc_SK6812MINI-E  [LED_choc_6028R]  102.24 73.13 180 bottom
LED52  choc_SK6812MINI-E  [LED_choc_6028R]  121.29 73.13 180 bottom
LED53  choc_SK6812MINI-E  [LED_choc_6028R]  140.34 73.13 180 bottom
LED54  choc_SK6812MINI-E  [LED_choc_6028R]  159.39 73.13 180 bottom
LED55  choc_SK6812MINI-E  [LED_choc_6028R]  178.44 73.13 180 bottom
LED56  choc_SK6812MINI-E  [LED_choc_6028R]  197.49 73.13 180 bottom
LED57  choc_SK6812MINI-E  [LED_choc_6028R]  216.54 73.13 180 bottom
LED58  choc_SK6812MINI-E  [LED_choc_6028R]  235.59 73.13 180 bottom
LED59  choc_SK6812MINI-E  [LED_choc_6028R]  266.54 73.13 180 bottom
LED60  choc_SK6812MINI-E  [LED_choc_6028R]  302.26 73.13 180 bottom
LED61  choc_SK6812MINI-E  [LED_choc_6028R]  321.31 73.13 180 bottom
LED62  choc_SK6812MINI-E  [LED_choc_6028R]  340.36 73.13 180 bottom
LED63  choc_SK6812MINI-E  [LED_choc_6028R]  23.65 54.08 180 bottom
LED64  choc_SK6812MINI-E  [LED_choc_6028R]  54.61 54.08 180 bottom
LED65  choc_SK6812MINI-E  [LED_choc_6028R]  73.66 54.08 180 bottom
LED66  choc_SK6812MINI-E  [LED_choc_6028R]  92.71 54.08 180 bottom
LED67  choc_SK6812MINI-E  [LED_choc_6028R]  111.76 54.08 180 bottom
LED68  choc_SK6812MINI-E  [LED_choc_6028R]  130.81 54.08 180 bottom
LED69  choc_SK6812MINI-E  [LED_choc_6028R]  149.86 54.08 180 bottom
LED70  choc_SK6812MINI-E  [LED_choc_6028R]  168.91 54.08 180 bottom
LED71  choc_SK6812MINI-E  [LED_choc_6028R]  187.96 54.08 180 bottom
LED72  choc_SK6812MINI-E  [LED_choc_6028R]  207.01 54.08 180 bottom
LED73  choc_SK6812MINI-E  [LED_choc_6028R]  226.06 54.08 180 bottom
LED74  choc_SK6812MINI-E  [LED_choc_6028R]  261.78 54.08 180 bottom
LED75  choc_SK6812MINI-E  [LED_choc_6028R]  302.26 54.08 180 bottom
LED76  choc_SK6812MINI-E  [LED_choc_6028R]  321.31 54.08 180 bottom
LED77  choc_SK6812MINI-E  [LED_choc_6028R]  340.36 54.08 180 bottom
LED78  choc_SK6812MINI-E  [LED_choc_6028R]  359.41 63.61 180 bottom
LED79  choc_SK6812MINI-E  [LED_choc_6028R]  11.75 35.03 180 bottom
LED80  choc_SK6812MINI-E  [LED_choc_6028R]  30.8 35.03 180 bottom
LED81  choc_SK6812MINI-E  [LED_choc_6028R]  49.85 35.03 180 bottom
LED82  choc_SK6812MINI-E  [LED_choc_6028R]  88.92 28.38 150 bottom
LED83  choc_SK6812MINI-E  [LED_choc_6028R]  107.7 22.82 150 bottom
LED84  choc_SK6812MINI-E  [LED_choc_6028R]  130.81 15.98 180 bottom
LED85  choc_SK6812MINI-E  [LED_choc_6028R]  153.67 23.28 210 bottom
LED86  choc_SK6812MINI-E  [LED_choc_6028R]  172.55 28.68 210 bottom
LED87  choc_SK6812MINI-E  [LED_choc_6028R]  218.44 35.03 180 bottom
LED88  choc_SK6812MINI-E  [LED_choc_6028R]  259.4 35.03 180 bottom
LED89  choc_SK6812MINI-E  [LED_choc_6028R]  278.45 35.03 180 bottom
LED90  choc_SK6812MINI-E  [LED_choc_6028R]  302.26 35.03 180 bottom
LED91  choc_SK6812MINI-E  [LED_choc_6028R]  321.31 35.03 180 bottom
LED92  choc_SK6812MINI-E  [LED_choc_6028R]  340.36 35.03 180 bottom